# KiCad board st251n_20603.kicad_pcb (continued)
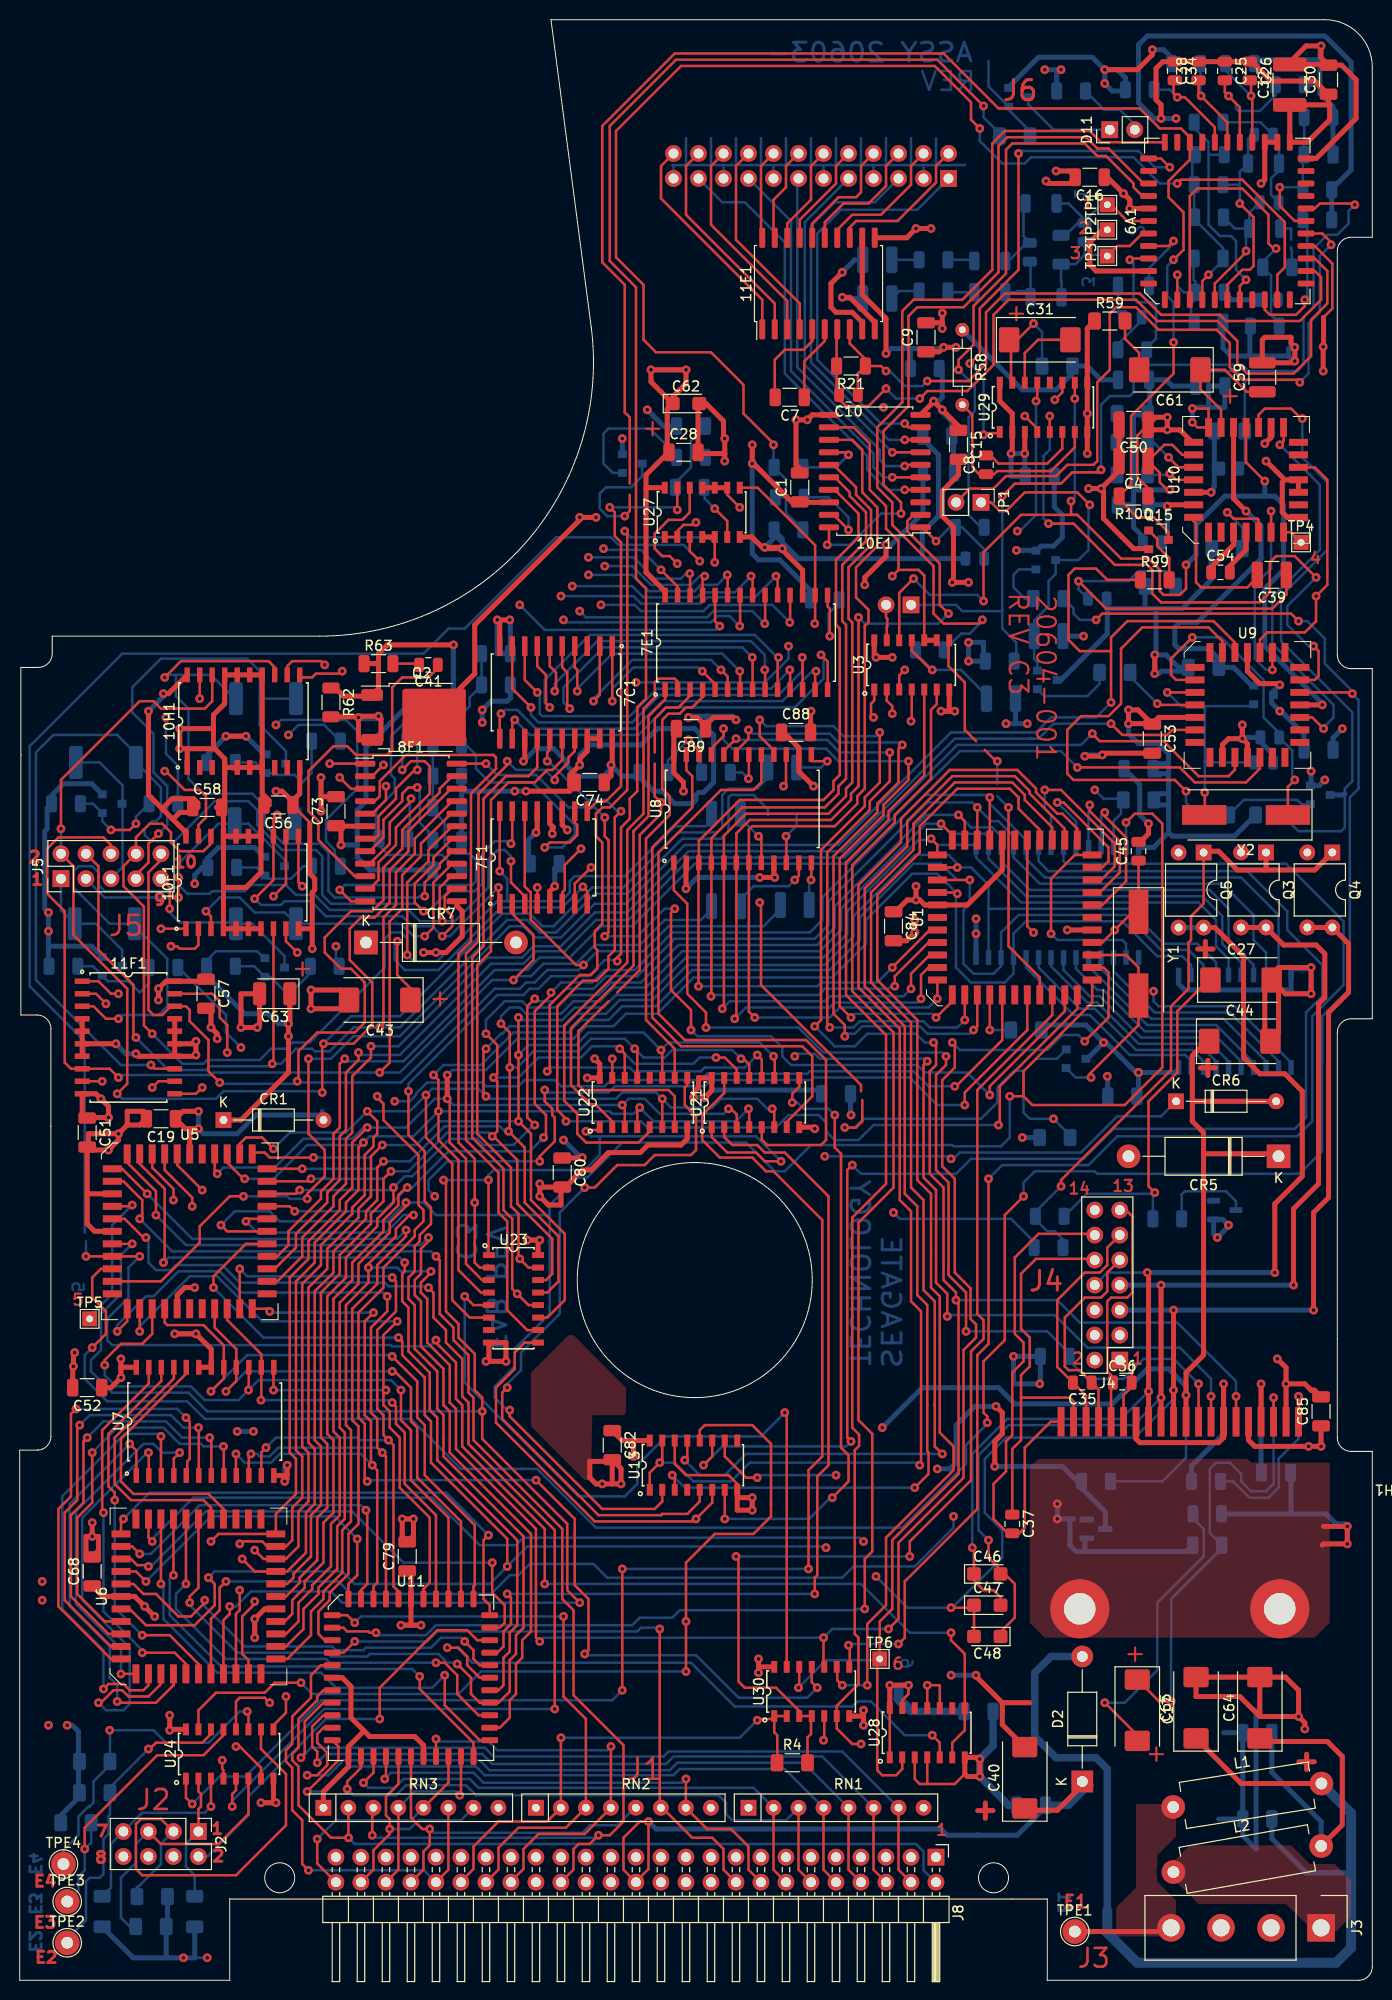
[diagram p0: board, top side]
## Routing (per net, layer and track width the routed paths; a pad name or vN(x,y) marks a point on that pad's centre or on a via; arc(x,y) is an arc through that point) (continued)
/SCSI/SDB1: length 82.5
  Top w0.254: U7.10 23.28,53.25 v1(23.5,53.47) ; v1(9.91,65.91) 10.92,66.93 U5.18 ; U11.3 37.21,53.21 v1(36.83,53.59) 36.32,54.1 36.32,57.02 35.69,57.66 35.69,66.29 37.34,67.95 v1(37.34,69.47)
  Bottom w0.254: v1(37.34,69.47) 36.96,69.85 22.48,69.85 20.32,72.01 16.13,72.01 13.59,69.47 12.83,69.47 9.91,66.55 v1(9.91,65.91) ; v1(36.83,53.59) 36.32,54.1 26.29,54.1 25.4,53.21 24.38,53.21 24.13,53.47 v1(23.5,53.47)
/SCSI/SDB2: length 70.6
  Top w0.254: 38.48,38.73 38.48,39.5 37.97,40.01 37.97,54.36 v1(37.47,54.86) 36.96,55.37 36.96,57.4 36.32,58.04 36.32,66.04 38.23,67.95 38.23,70.99 v1(37.85,71.37) ; U7.11 24.55,53.63 v1(25.02,54.1) ; U5.27 v1(22.35,72.26)
  Bottom w0.254: v1(37.85,71.37) 37.72,71.5 23.11,71.5 v1(22.35,72.26) ; 25.15,53.98 v1(25.02,54.1) 26.04,55.12 34.29,55.12 34.54,54.86 v1(37.47,54.86)
/SCSI/SDB3: length 77.9
  Top w0.254: v1(38.35,66.93) 36.96,65.53 36.96,60.2 v1(37.21,59.94) 36.96,59.69 36.96,58.42 37.59,57.79 37.59,56.13 38.61,55.12 38.61,50.04 41.66,46.99 41.66,40.39 41.02,39.75 U11.44 ; U5.19 v1(12.19,65.91) ; v1(25.78,59.94) 25.78,62.23 U7.13
  Bottom w0.254: v1(38.35,66.93) 24.64,66.93 20.07,71.5 17.27,71.5 12.19,66.42 v1(12.19,65.91) ; v1(37.21,59.94) v1(25.78,59.94)
/SCSI/SDB4: length 46
  Top w0.254: v1(37.85,58.67) 38.23,58.29 38.23,56.52 39.12,55.63 39.12,50.42 42.29,47.24 U11.43 ; v1(24.51,58.93) 24.55,58.96 U7.14 24.55,63.59 21.08,67.06 U5.26
  Bottom w0.254: v1(37.85,58.67) 37.59,58.93 v1(24.51,58.93)
/SCSI/SDB5: length 68
  Top w0.254: v1(23.24,59.94) 23.28,59.98 U7.15 ; v1(38.73,59.94) 38.73,56.9 39.75,55.88 39.75,50.8 43.56,46.99 U11.42 ; U5.20 13.46,65.66 12.45,64.64 10.29,64.64 8.64,62.99 v1(8.64,62.48)
  Bottom w0.254: v1(38.73,59.94) 37.72,60.96 24.26,60.96 v1(23.24,59.94) 22.23,58.93 18.8,58.93 17.4,60.33 9.78,60.33 8.64,61.47 v1(8.64,62.48)
/SCSI/SDB6: length 53.6
  Top w0.254: U11.41 44.83,46.61 40.39,51.05 40.39,56.13 39.75,56.77 39.75,60.2 38.1,61.85 v1(37.85,61.85) ; v1(20.95,59.82) 22.01,60.87 U7.16 22.01,64.1 19.81,66.29 U5.25
  Bottom w0.254: v1(20.95,59.82) 22.99,61.85 v1(37.85,61.85)
/SCSI/SDB7: length 61.7
  Top w0.254: v1(19.43,59.82) 20.74,61.12 U7.17 20.74,64.48 18.67,66.55 14.99,66.55 14.73,66.8 U5.21 ; v1(37.85,63.37) 40.39,60.83 40.39,57.15 41.15,56.39 41.15,51.31 46.23,46.23 46.23,40.13 46.1,40.01 U11.40
  Bottom w0.254: v1(37.85,63.37) 37.72,63.5 23.11,63.5 v1(19.43,59.82)
/SCSI/SEL: length 51.3
  Top w0.254: U6.37 v1(14.35,40.26) ; v1(43.18,30.99) 43.18,27.94 46.74,24.38 U11.29
  Bottom w0.254: v1(43.18,30.99) 41.91,29.72 32.13,29.72 30.61,31.24 20.07,31.24 14.61,36.7 14.61,40.01 v1(14.35,40.26)
/SCSI/SELO: length 48.3
  Top w0.254: v1(40.64,30.86) 40.64,29.59 46.1,24.13 U11.28 ; U6.36 v1(15.62,41.15)
  Bottom w0.254: v1(40.64,30.86) 39.88,31.62 31.12,31.62 30.86,31.88 20.45,31.88 15.24,37.08 15.24,40.77 v1(15.62,41.15)
/SCSI/TMPWR: length 70.5
  Top w0.254: 62.99,16.13 v1(63.88,16.13) 63.88,11.3 62.61,10.03 J8.26 61.34,11.23 61.34,14.48 62.99,16.13
  Top w0.508: 108.84,19.81 107.95,19.81 105.41,17.27 102.3,17.27 C40.1
  Bottom w0.508: C6.1 104.22,17.6 101.35,14.73 97.28,14.73 ; 97.28,14.73 94.23,14.73 93.6,15.37 64.64,15.37 v1(63.88,16.13) ; 97.28,14.73 97.36,14.81
  Bottom w0.762: C6.1 106.55,17.78 107.95,19.18 D2.1
/SCSI/~{ACK}: length 59
  Top w0.254: v1(55.25,36.96) 55.25,28.83 57.52,26.55 RN2.3 55.49,15.49 50.67,15.49 48.64,13.46 48.64,11.24 J8.38 ; v1(34.04,36.32) 33.27,37.08 U11.7
  Bottom w0.254: v1(55.25,36.96) 34.67,36.96 v1(34.04,36.32)
/SCSI/~{ATN}: length 139
  Top w0.254: RN3.3 35.81,17.41 v1(35.81,14.73) ; v1(12.19,77.34) 12.45,77.6 12.45,79.25 10.54,81.15 U5.8 ; v1(42.29,73.53) 42.67,73.15 42.67,67.69 44.07,66.29 44.07,65.02 45.59,63.5 45.59,59.69 46.1,59.18 46.1,54.86 55.12,45.85 55.12,38.74 56.26,37.59 56.26,28.96 61.34,23.88 61.34,16.13 59.94,14.73 v1(58.8,14.73) 57.91,13.84 56.77,13.84 56.26,13.34 56.26,11.24 J8.32
  Bottom w0.254: v1(12.19,77.34) 15.49,74.04 41.78,74.04 v1(42.29,73.53) ; v1(35.81,14.73) 36.07,14.48 58.55,14.48 v1(58.8,14.73)
/SCSI/~{BIE}: length 50.2
  Top w0.254: v1(47.62,45.21) 47.12,44.7 47.12,38.74 47.75,38.1 U11.39 ; U6.40 10.3,46.62 v1(10.54,46.86)
  Bottom w0.254: v1(47.62,45.21) 43.31,49.53 13.21,49.53 v1(10.54,46.86)
/SCSI/~{BOE}: length 36.8
  Top w0.254: v1(35.18,47.75) 35.31,47.62 35.31,40.26 34.67,39.62 U11.5 ; v1(12.19,43.31) 11.43,44.07 U6.41
  Bottom w0.254: v1(35.18,47.75) 34.67,48.26 18.29,48.26 13.34,43.31 v1(12.19,43.31)
/SCSI/~{BSY}: length 40.9
  Top w0.254: 49.91,10.03 51.18,11.31 51.18,13.34 52.7,14.86 57.39,14.86 RN2.4 60.06,23.74 v1(60.07,23.75) ; U11.25 v1(42.29,24.51)
  Bottom w0.254: v1(60.07,23.75) 59.69,23.37 48.51,23.37 47.62,24.26 42.55,24.26 v1(42.29,24.51)
/SCSI/~{C}D: length 94.3
  Top w0.254: v1(41.53,75.44) 41.53,75.06 40.77,74.3 40.77,71.76 40.13,71.12 40.13,69.6 40.77,68.96 40.77,64.39 43.05,62.1 43.05,58.42 43.69,57.79 43.69,53.59 51.94,45.34 51.94,35.43 51.05,34.54 51.05,32.77 50.42,32.13 50.42,29.08 49.78,28.45 49.78,26.67 48.77,25.65 U11.30 ; v1(13.84,77.72) 13.84,80.14 10.92,83.06 U5.6
  Bottom w0.254: v1(13.84,77.72) 16.89,74.68 40.77,74.68 v1(41.53,75.44)
/SCSI/~{ET}: length 175.5
  Top w0.254: U6.38 13.08,44.96 v1(13.46,44.58) ; U3.3 89.35,132.53 v1(89.92,133.1)
  In1.Cu w0.254: v1(85.72,44.58) 85.72,51.94 90.55,56.77 90.55,79.38 87.38,82.55 87.38,119.76 91.44,123.83 91.44,128.52 89.92,130.05 v1(89.92,133.1)
  Bottom w0.254: v1(13.46,44.58) 13.46,44.83 17.65,49.02 41.91,49.02 46.74,44.2 50.42,44.2 51.18,44.96 85.34,44.96 v1(85.72,44.58)
/SCSI/~{MSG}: length 45.9
  Top w0.254: U11.11 30.61,32 29.59,30.99 29.59,28.7 27.69,26.8 27.69,24 27.05,23.37 27.05,22.23 27.69,21.59 27.69,17.27 28.7,16.26 28.7,11.81 v1(29.34,11.18) ; J8.42 43.55,11.23 RN3.6
  Bottom w0.254: v1(29.34,11.18) 41.08,11.18 J8.42
/SCSI/~{MS}: length 26.9
  Top w0.254: U6.32 20.7,47.88 19.18,49.4 11.56,49.4 10.29,50.67 10.29,54.99 16.93,61.63 U7.20
/SCSI/~{REQ}: length 24.1
  Top w0.254: J8.48 35.94,11.24 35.94,13.21 37.59,14.86 v1(37.59,15.37) 37.59,16.38 37.21,16.76 37.21,18.67 38.48,19.94 38.48,22.73
  Bottom w0.254: 46.09,17.53 44.82,16.26 40.51,16.26 39.62,15.37 v1(37.59,15.37)
/SCSI/~{RST}: length 50.4
  Top w0.254: 44.83,10.03 46.1,11.31 46.1,13.59 48.64,16.13 53.58,16.13 54.98,17.53 54.98,24.63 v1(54.99,24.64) ; U30.2 U30.1 ; U30.1 76.36,26.54 75.06,26.54 v1(74.93,26.42) ; U30.1 76.65,25.2 76.96,24.89 76.96,22.12 R4.1
  Bottom w0.254: v1(54.99,24.64) 73.15,24.64 v1(74.93,26.42)
/SCSI/~{SEL}: length 36.9
  Top w0.254: J8.44 41.02,11.24 41.02,13.08 41.66,13.72 v1(41.66,15.37) 40.89,15.37 39.75,16.51 U11.23
  Bottom w0.254: v1(41.66,15.37) 42.04,14.99 57.15,14.99 57.91,15.75 60.71,15.75 62.48,17.53 RN2.5
/SCSI/~{SRAM_WE}: length 26.3
  Top w0.254: U7.21 15.66,61.12 9.65,55.12 9.65,50.42 11.3,48.77 18.67,48.77 19.43,48.01 U6.33
AD0: length 282.2
  Top w0.254: v1(72.01,88.52) 72.26,88.52 72.84,87.94 U21.3 ; U5.43 19.81,82.17 v1(20.07,81.92) ; v1(20.57,22.35) 20.57,21.46 20.7,21.34 U24.4 ; v1(35.31,86.61) 33.78,85.09 33.78,80.52 32.51,79.25 32.51,78.23 29.34,75.06 29.34,73.28 27.43,71.37 27.43,53.59 28.07,52.96 28.07,49.4 26.02,47.36 U6.28 20.19,45.34 v1(19.43,44.58) ; v1(61.21,88.9) 61.47,88.65 U22.3 ; U23.3 46.99,71.12 45.34,72.77 45.34,83.44 43.69,85.09 43.69,89.28 v1(43.43,89.54) ; v1(95.25,110.36) 95.12,110.49 U1.43
  Top w0.508: v1(43.43,91.95) v1(43.43,89.54)
  In2.Cu w0.254: v1(19.43,44.58) 20.32,45.47 24.89,45.47 27.18,43.18 27.18,33.66 29.59,31.24 29.59,28.58 22.48,21.46 21.97,21.46 21.08,22.35 v1(20.57,22.35)
  Bottom w0.254: v1(20.07,81.92) 20.7,82.55 25.91,82.55 28.83,85.47 33.78,85.47 34.92,86.61 v1(35.31,86.61) 39.24,86.61 42.16,89.54 v1(43.43,89.54) 44.07,88.9 v1(61.21,88.9) 61.85,89.54 63.5,89.54 65.02,88.01 71.5,88.01 v1(72.01,88.52) ; U2.2 119,103.12 118.11,104.01 115.57,104.01 112.01,107.57 102.24,107.57 100.97,106.3 U4.11 100.97,102.24 100.08,101.35 96.65,101.35 95.12,102.87 95.12,110.24 v1(95.25,110.36) 93.22,112.4 90.68,112.4 85.98,107.7 85.98,105.28 82.55,101.85 68.45,101.85 64.77,98.17 61.59,98.17 60.33,96.9 57.53,96.9 56.26,95.63 50.55,95.63 47.37,92.46 43.94,92.46 v1(43.43,91.95)
AD1: length 280.2
  Top w0.254: v1(22.35,44.32) 22.61,44.58 24.64,44.58 25.15,44.07 U6.27 27.05,44.07 27.69,44.7 27.69,48.01 28.7,49.02 28.7,53.21 28.07,53.85 28.07,70.99 29.97,72.9 29.97,74.93 33.15,78.11 33.15,78.99 34.42,80.26 34.42,84.58 v1(34.92,85.09) ; v1(22.86,81.41) 22.73,81.41 21.08,83.06 U5.42 ; v1(42.04,91.95) 42.55,91.44 v1(42.55,88.27) 42.55,85.34 44.58,83.31 44.58,72.14 46.86,69.85 U23.4 ; U22.4 62.74,88.39 v1(62.99,88.65) ; v1(21.97,23.75) 22.35,23.75 24.51,21.59 24.51,20.49 ; U21.4 74.11,88.45 v1(74.04,88.52) ; U1.42 v1(96.52,111.76)
  In2.Cu w0.254: v1(21.97,23.75) 24,23.75 27.94,27.69 27.94,29.34 26.67,30.61 26.67,42.42 24.38,44.7 22.73,44.7 v1(22.35,44.32)
  Bottom w0.254: U2.3 120.27,103.12 118.75,104.65 115.95,104.65 112.4,108.2 101.47,108.2 99.69,106.43 U4.12 99.69,103 98.93,102.24 96.9,102.24 95.89,103.25 95.89,108.71 96.52,109.35 v1(96.52,111.76) 95.25,111.76 93.6,113.41 90.81,113.41 85.34,107.95 85.34,105.66 82.3,102.62 68.33,102.62 64.64,98.93 61.21,98.93 59.82,97.54 57.02,97.54 55.75,96.27 50.17,96.27 46.86,92.96 43.05,92.96 v1(42.04,91.95) ; v1(74.04,88.52) 72.77,87.25 64.39,87.25 v1(62.99,88.65) 62.36,88.01 60.2,88.01 59.94,88.27 v1(42.55,88.27) 40,85.73 35.56,85.73 v1(34.92,85.09) 34.67,84.84 29.21,84.84 25.78,81.41 v1(22.86,81.41)
AD2: length 268.7
  Top w0.254: U24.9 25.78,25.91 27.05,27.18 v1(27.05,28.83) ; U1.41 v1(95.25,113.03) ; v1(25.78,84.46) 24.64,85.6 22.99,85.6 22.35,84.96 U5.41 ; v1(35.31,88.27) 36.32,87.25 36.32,85.98 35.94,85.6 35.94,84.71 35.05,83.82 35.05,79.76 33.78,78.49 33.78,77.85 30.61,74.68 30.61,72.64 28.7,70.74 28.7,54.23 29.34,53.59 29.34,48.64 28.32,47.62 28.32,44.07 27.05,42.8 U6.26 24.77,42.8 v1(23.88,43.69) ; U21.6 76.65,88.32 v1(76.45,88.52) ; U22.6 v1(65.28,89.54) ; v1(47.37,89.79) 47.12,90.04 47.12,94.36 v1(47.37,94.62) ; v1(41.28,89.92) 41.28,85.6 43.94,82.93 43.94,69.09 45.72,67.31 U23.6
  In2.Cu w0.254: v1(27.05,28.83) 26.8,28.83 26.04,29.59 26.04,41.53 v1(23.88,43.69)
  Bottom w0.254: v1(25.78,84.46) 27.43,86.11 33.15,86.11 v1(35.31,88.27) 39.62,88.27 v1(41.28,89.92) 41.91,90.55 46.61,90.55 v1(47.37,89.79) 47.62,89.54 60.58,89.54 61.21,90.17 64.64,90.17 v1(65.28,89.54) 66.17,88.65 70.36,88.65 71.25,89.54 74.93,89.54 75.95,88.52 v1(76.45,88.52) ; U4.13 98.42,108.84 ; 98.42,108.84 98.42,111.25 96.65,113.03 v1(95.25,113.03) 95.25,113.41 94.36,114.3 90.93,114.3 84.71,108.08 84.71,106.05 81.79,103.12 67.82,103.12 64.26,99.57 60.96,99.57 59.56,98.17 56.64,98.17 55.37,96.9 49.78,96.9 49.02,96.14 48.89,96.14 v1(47.37,94.62) ; 98.42,108.84 112.65,108.84 116.21,105.28 119.63,105.28 121.54,103.38 U2.4
AD3: length 263.9
  Top w0.254: U1.40 93.23,115.3 v1(92.58,115.95) ; U23.11 53.59,67.31 55.37,69.09 55.37,75.82 51.94,79.25 51.94,85.98 v1(50.67,87.25) v1(50.67,93.98) v1(50.67,97.79) ; v1(29.84,83.57) 25.4,83.57 24.89,84.07 23.76,84.07 U5.40 ; v1(36.83,84.84) 35.69,83.69 35.69,79.63 34.42,78.36 34.42,77.47 31.24,74.3 31.24,72.26 29.34,70.36 29.34,54.61 29.97,53.98 29.97,48.39 29.08,47.5 29.08,43.43 27.18,41.53 U6.25 23.88,41.53 v1(22.61,42.8) ; U22.11 65.28,94.36 v1(65.15,94.49) ; 21.97,25.49 21.97,28.32 22.35,28.7 24.89,28.7 v1(25.4,28.19) ; 76.71,91.65 76.71,93.73 v1(76.58,93.85)
  In2.Cu w0.254: v1(25.4,28.19) 25.4,40.01 v1(22.61,42.8)
  Bottom w0.254: v1(50.67,97.79) 50.93,97.54 55.12,97.54 56.39,98.81 59.31,98.81 60.58,100.08 63.88,100.08 67.69,103.89 81.66,103.89 84.07,106.3 84.07,108.59 91.31,115.82 92.46,115.82 v1(92.58,115.95) 93.22,115.32 96.9,115.32 U4.15 97.16,114.05 101.73,109.47 119.76,109.47 121.54,107.7 121.54,105.03 122.81,103.76 U2.5 ; v1(29.84,83.57) 35.56,83.57 v1(36.83,84.84) 40.26,84.84 42.67,87.25 v1(50.67,87.25) ; v1(76.58,93.85) 75.18,95.25 65.91,95.25 v1(65.15,94.49) 63.37,96.27 57.78,96.27 56.52,95 51.69,95 v1(50.67,93.98)
AD4: length 236.1
  Top w0.254: U22.13 62.74,94.36 v1(62.48,94.62) ; U5.39 v1(28.7,82.42) ; v1(36.96,83.19) 36.32,82.55 36.32,79.25 35.18,78.11 35.18,77.34 31.88,74.04 31.88,71.88 29.97,69.98 29.97,54.86 30.61,54.23 30.61,48.26 29.59,47.24 29.59,43.05 27.81,41.28 27.81,40.89 27.18,40.26 U6.24 ; U23.13 53.59,69.85 54.74,70.99 54.74,75.57 51.31,78.99 51.31,84.58 v1(49.66,86.23) 49.78,86.36 v1(49.78,92.71) 49.78,96.27 v1(48.89,97.16) ; v1(93.6,117.48) 94.74,116.33 U1.39 ; v1(73.28,93.6) 73.53,93.6 74.11,93.02 U21.13
  Bottom w0.254: v1(48.89,97.16) 48.89,97.92 49.78,98.81 50.8,98.81 51.44,98.17 54.99,98.17 56.26,99.44 58.93,99.44 60.33,100.84 63.63,100.84 67.31,104.52 81.28,104.52 83.44,106.68 83.44,108.84 92.08,117.48 v1(93.6,117.48) 94.61,116.46 98.04,116.46 98.42,116.08 U4.16 98.42,113.92 102.24,110.11 120.14,110.11 122.17,108.08 122.17,105.28 124.08,103.38 124.08,102.11 ; v1(49.78,92.71) 50.55,92.71 52.2,94.36 56.77,94.36 58.04,95.63 61.47,95.63 v1(62.48,94.62) 63.37,93.73 65.53,93.73 66.29,94.49 72.39,94.49 v1(73.28,93.6) ; v1(49.66,86.23) 49.28,86.23 48.77,86.74 43.18,86.74 39.62,83.19 v1(36.96,83.19) 36.2,82.42 v1(28.7,82.42)
AD5: length 239.1
  Top w0.254: U6.23 27.05,38.99 28.45,40.39 28.45,40.89 30.23,42.67 30.23,46.99 31.24,48.01 31.24,54.48 30.61,55.12 30.61,69.85 32.51,71.76 32.51,73.66 35.69,76.84 35.69,77.85 36.96,79.12 36.96,81.41 v1(37.72,82.17) ; U22.14 61.47,94.11 v1(60.96,94.62) ; v1(70.74,93.73) 71.63,93.73 72.84,92.51 U21.14 ; U23.14 53.47,71.12 54.1,71.76 54.1,75.31 50.55,78.87 50.55,83.31 48.13,85.73 v1(48.01,85.73) 48.51,86.23 48.51,91.31 v1(48.13,91.69) 48.51,92.08 48.51,95 v1(47.37,96.14) ; U5.38 29.34,81.15 v1(29.59,81.41) ; 95.12,118.11 v1(95.38,118.36) 96.01,117.73 U1.38
  Bottom w0.254: v1(29.59,81.41) 36.96,81.41 v1(37.72,82.17) 39.5,82.17 43.43,86.11 47.62,86.11 v1(48.01,85.73) ; v1(47.37,96.14) 47.37,97.54 49.28,99.44 51.05,99.44 51.69,98.81 54.61,98.81 55.88,100.08 58.8,100.08 60.07,101.35 63.12,101.35 66.93,105.16 81.03,105.16 82.8,106.93 82.8,109.09 92.08,118.36 v1(95.38,118.36) 96.65,117.09 98.81,117.09 99.69,116.21 U4.17 99.69,113.67 102.62,110.74 120.9,110.74 122.81,108.84 122.81,105.66 125.35,103.12 U2.7 ; v1(70.74,93.73) 69.09,93.73 68.45,93.09 62.48,93.09 v1(60.96,94.62) 60.71,94.87 58.17,94.87 57.02,93.73 52.7,93.73 50.67,91.69 v1(48.13,91.69)
AD6: length 193
  Top w0.254: U5.37 28.07,79.88 v1(28.45,80.26) ; U1.37 v1(97.28,119.13) ; v1(37.97,80.52) 37.97,78.99 36.32,77.34 36.32,76.58 33.15,73.41 33.15,71.37 31.24,69.47 31.24,55.5 31.88,54.86 31.88,47.5 30.86,46.48 30.86,42.42 28.96,40.51 28.96,39.88 27.69,38.61 27.69,37.21 26.92,36.45 U6.21 ; v1(52.32,86.87) 51.56,87.63 51.56,98.93 v1(52.32,99.7)
  Bottom w0.254: v1(28.45,80.26) 37.72,80.26 v1(37.97,80.52) 39.12,81.66 39.88,81.66 43.69,85.47 46.48,85.47 47.12,84.84 50.17,84.84 52.2,86.87 v1(52.32,86.87) ; v1(52.32,99.7) 52.58,99.44 54.23,99.44 55.5,100.71 58.29,100.71 59.56,101.98 62.74,101.98 66.55,105.79 80.77,105.79 82.17,107.19 82.17,109.6 92.2,119.63 96.77,119.63 v1(97.28,119.13) 98.68,117.73 99.44,117.73 100.97,116.21 U4.18 100.97,114.05 103.63,111.38 122.17,111.38 125.35,108.2 125.35,105.66 126.62,104.39 U2.8
AD7: length 200
  Top w0.254: v1(27.94,78.11) 27.43,78.61 U5.36 ; U6.20 27.05,35.18 28.32,36.45 28.32,38.35 29.72,39.75 29.72,40.13 31.62,42.04 31.62,46.36 32.51,47.24 32.51,55.12 31.88,55.75 31.88,69.22 33.78,71.12 33.78,72.9 36.96,76.07 36.96,77.22 38.47,78.73 38.47,79.74 39.24,80.52 v1(39.37,80.52) ; v1(53.21,85.6) 53.47,85.85 53.47,87.88 52.32,89.03 52.32,98.43 53.97,100.08 v1(53.97,100.33) ; U1.36 v1(98.55,120.14)
  Bottom w0.254: U2.9 127.89,108.2 124.08,112.01 104.14,112.01 102.24,113.92 102.24,115.82 98.55,119.51 v1(98.55,120.14) 98.3,120.4 91.95,120.4 81.53,109.98 81.53,107.7 80.26,106.43 66.29,106.43 62.48,102.62 59.44,102.62 58.17,101.35 54.99,101.35 v1(53.97,100.33) ; v1(53.21,85.6) 51.82,84.2 43.56,84.2 39.88,80.52 v1(39.37,80.52) 36.96,78.11 v1(27.94,78.11)
ALE: length 259.5
  Top w0.254: v1(103,106.43) 102.36,107.06 U1.33 ; v1(18.54,80.26) 16,82.8 U5.2 ; U6.13 19.43,36.7 20.32,37.59 20.32,39.88 v1(20.95,40.51)
  In1.Cu w0.254: v1(103,106.43) 108.59,100.84 114.81,100.84 v1(115.19,100.46)
  In2.Cu w0.254: v1(94.87,47.12) 94.61,47.37 94.61,54.36 93.09,55.88 93.09,67.56 92.08,68.58 92.08,78.36 89.53,80.9 89.53,97.54 90.68,98.68 93.34,98.68 101.09,106.43 v1(103,106.43) ; v1(20.95,40.51) 19.69,41.78 17.91,41.78 8.51,51.18 8.51,57.79 13.08,62.36 13.08,69.72 15.49,72.14 15.49,74.17 14.61,75.06 14.61,79.88 15.11,80.39 18.41,80.39 v1(18.54,80.26)
  Bottom w0.254: U2.11 129.16,93.22 123.44,98.93 115.7,98.93 115.19,99.44 v1(115.19,100.46) ; v1(20.95,40.51) 32.38,40.51 33.66,39.24 47.88,39.24 49.78,41.15 50.67,41.15 51.82,42.29 58.29,42.29 59.69,40.89 83.57,40.89 84.71,42.04 90.93,42.04 94.87,45.97 v1(94.87,47.12)
ALL_PHASES_ON: length 8.4
  Top w0.254: 7E1.15 82.08,139.54 82.3,139.32 v1(82.3,136.53)
  Bottom w0.254: v1(82.3,136.53) 82.17,136.65 82.17,138.81 83.25,139.89 R5.2
CLK_10M0: length 137.2
  Top w0.254: v1(6.73,73.53) U5.14 v1(12.19,73.53) ; U28.6 94.74,24.13 96.01,25.4 U28.8 96.01,33.15 94.61,34.54 v1(94.61,35.31) ; v1(42.29,65.02) 42.29,64.77 44.32,62.74 44.32,59.06 44.96,58.42 44.96,54.23 53.34,45.85 v1(53.34,40.26)
  Bottom w0.254: v1(53.34,40.26) 85.47,40.26 90.42,35.31 v1(94.61,35.31) ; v1(42.29,65.02) 41.66,64.39 37.85,64.39 37.72,64.52 9.4,64.52 8.89,65.02 8.89,67.18 11.05,69.34 11.05,72.39 v1(12.19,73.53) ; v1(6.73,73.53) 6.73,75.06
CS: length 232.1
  Top w0.254: 25.13,74.8 22.99,74.8 19.69,71.5 v1(19.69,70.36) ; U3.2 88.08,129.98 88.65,129.41 v1(88.65,128.65) ; v1(38.48,65.28) 38.86,64.9 38.86,63.5 41.15,61.21 41.15,57.4 41.78,56.77 41.78,52.58 49.53,44.83 v1(49.53,42.04) ; v1(19.18,40.89) 19.81,40.26 19.81,38.1 17.78,36.07 12.83,36.07 11.18,37.72 10.3,37.72
  In1.Cu w0.254: v1(88.65,128.65) 88.65,129.16 88.01,129.79 86.74,129.79 85.6,128.65 85.6,81.41 87.38,79.63 87.38,60.07 82.04,54.74 82.04,51.05 83.82,49.28 83.82,45.85 v1(81.92,43.94)
  Bottom w0.254: v1(81.92,43.94) 81.79,44.07 51.56,44.07 v1(49.53,42.04) 47.75,40.26 34.04,40.26 32.77,41.53 19.81,41.53 v1(19.18,40.89) ; v1(19.69,70.36) 24.77,65.28 v1(38.48,65.28)
CS_: length 71.4
  Top w0.254: 8F1.4 36.07,119.76 36.58,120.27 36.58,121.79 39.24,124.46 48.13,124.46 48.39,124.21 48.39,123.06 45.85,120.52 45.85,105.54 44.58,104.27 44.58,85.09 46.23,83.44 v1(46.23,78.99) 46.23,72.9 46.74,72.39 U23.2
INDEX_Q: length 234.4
  Top w0.254: U8.15 77.85,124.46 77.85,121.54 v1(77.6,121.29) ; 21.97,20.49 21.97,19.3 21.59,18.92 v1(21.59,17.65) ; U5.11 10.67,77.34 12.57,75.44 v1(12.83,75.44) ; v1(41.53,70.36) 42.04,69.85 42.04,67.31 43.31,66.04 43.31,64.77 44.96,63.12 44.96,59.31 45.59,58.67 45.59,54.48 54.36,45.72 v1(54.36,27.56)
  In1.Cu w0.254: v1(41.53,70.36) 43.43,72.26 43.43,78.99 44.96,80.52 44.96,96.27 46.61,97.92 46.61,119.43 49.1,121.92 51.94,121.92 52.83,122.81 54.48,122.81 59.82,128.14 60.45,128.14 62.61,130.3 v1(62.61,131.83) ; v1(77.6,121.29) 77.98,121.67 77.98,125.1 77.6,125.48 77.6,128.78 77.22,129.16 77.22,133.35 78.11,134.24 v1(78.11,135.51)
  Bottom w0.254: v1(54.36,27.56) 30.92,27.56 21.59,18.22 v1(21.59,17.65) ; v1(12.83,75.44) 13.08,75.18 13.08,72.9 13.84,72.14 15.37,72.14 15.88,72.64 20.57,72.64 22.35,70.87 37.08,70.87 37.47,70.49 41.4,70.49 v1(41.53,70.36) ; v1(78.11,135.51) 78.11,134.24 75.69,131.83 v1(62.61,131.83)
MLOWSIDE_LATCH: length 67.9
  Top w0.254: U21.5 75.38,85.4 75.95,84.84 81.41,84.84 81.92,85.34 81.92,93.47 79.88,95.5 67.56,95.5 64.9,98.17 64.9,114.55 71.25,120.9 74.55,120.9 75.35,121.7 U8.17
MLOWSIDE_MUX0: length 64.5
  Top w0.254: v1(71.5,127.13) 71.5,126.37 70.48,125.35 70.48,125.22 ; v1(84.45,97.79) 83.31,98.93 83.31,113.92 87.76,118.36 87.76,119.38 90.3,121.92 v1(90.3,123.83) ; v1(93.09,97.79) 94.74,99.44 U1.7
  Bottom w0.254: v1(71.5,127.13) 71.5,125.98 72.39,125.1 81.92,125.1 83.19,123.83 v1(90.3,123.83) ; v1(84.45,97.79) 84.84,98.17 92.71,98.17 v1(93.09,97.79)
MLOWSIDE_MUX1: length 65.4
  Top w0.254: v1(88.39,124.71) 88.39,121.79 86.36,119.76 86.36,118.87 82.04,114.55 82.04,97.03 v1(82.3,96.77) ; U1.8 v1(96.01,97.54) ; v1(72.77,126.11) 71.75,125.1
  Bottom w0.254: v1(82.3,96.77) 84.71,96.77 85.34,97.41 91.82,97.41 92.46,96.77 95.25,96.77 v1(96.01,97.54) ; v1(88.39,124.71) 83.31,124.71 82.04,125.98 72.9,125.98 v1(72.77,126.11)
MLOWSIDE_MUX2: length 69.1
  Top w0.254: 73.15,125.22 74.04,126.11 v1(74.04,127) ; v1(89.66,125.48) 89.28,125.1 89.28,121.67 87.12,119.51 87.12,118.62 82.68,114.17 82.68,98.17 83.82,97.03 v1(83.82,95.89) ; v1(96.9,96.52) 97.28,96.9 U1.9
  Bottom w0.254: v1(74.04,127) 74.42,126.62 82.3,126.62 83.19,125.73 89.41,125.73 v1(89.66,125.48) ; v1(96.9,96.52) 96.52,96.14 92.2,96.14 91.44,96.9 85.6,96.9 84.84,96.14 84.07,96.14 v1(83.82,95.89)
MTA+: length 142.1
  Top w0.254: v1(69.34,132.97) 70.65,131.66 7E1.5 ; 15.49,91.31 14.1,91.31 v1(13.46,90.68) ; 7C1.1 v1(60.2,129.92)
  In1.Cu w0.254: v1(60.2,129.92) 60.07,130.05 60.07,140.84 59.56,141.35 57.28,141.35 47.75,131.83 22.73,131.83 21.46,133.1 21.46,133.22 19.94,134.75 12.7,134.75 5.46,127.51 5.46,111.12 7.49,109.09 7.49,89.03 7.87,88.65 11.43,88.65 v1(13.46,90.68)
  Bottom w0.254: v1(60.2,129.92) 60.2,131.19 62.36,133.35 68.96,133.35 v1(69.34,132.97)
MTA-: length 105.1
  Top w0.254: v1(58.29,129.92) 58.93,130.56 7C1.2 ; v1(21.08,94.23) 21.08,97.03 20.32,97.79 20.32,99.44 19.56,100.2 15.5,100.2 ; v1(71.25,133.1) 71.92,132.43 7E1.6
  In1.Cu w0.254: v1(58.29,129.92) 58.29,129.41 54.99,126.11 30.99,126.11 27.81,122.94 27.81,108.46 30.73,105.54 30.73,104.27 29.08,102.62 23.24,102.62 21.08,100.46 v1(21.08,94.23)
  Bottom w0.254: v1(71.25,133.1) 70.23,134.11 62.23,134.11 58.29,130.18 v1(58.29,129.92)
MTB+: length 82.8
  Top w0.254: 10H1.12 27.18,133.48 27.69,133.99 30.61,133.99 v1(30.99,133.6) ; 7E1.7 73.19,132.93 v1(73.15,132.97) ; 7C1.4 56.39,133.35 56.64,133.1 v1(56.64,130.94)
  In2.Cu w0.254: v1(30.99,133.6) 31.5,134.11 40.13,134.11 43.31,137.29 45.09,137.29 47.75,139.95 49.66,139.95 56.13,146.43 59.69,146.43 61.34,144.78 61.34,135.64 v1(56.64,130.94)
  Bottom w0.254: v1(73.15,132.97) 71.37,134.75 60.2,134.75 56.64,131.19 v1(56.64,130.94)
MTB-: length 106.4
  Top w0.254: v1(55.88,129.16) 55.63,129.41 55.63,132.84 55.12,133.35 7C1.5 ; 10H1.19 v1(18.29,130.18) ; v1(74.42,134.37) 74.46,134.33 7E1.8
  In2.Cu w0.254: v1(18.29,130.18) 22.86,134.75 40,134.75 43.18,137.92 44.83,137.92 47.37,140.46 49.28,140.46 56.01,147.19 60.07,147.19 61.98,145.29 61.98,135 56.9,129.92 56.64,129.92 v1(55.88,129.16)